# KiCad board -Z.kicad_pcb (continued)
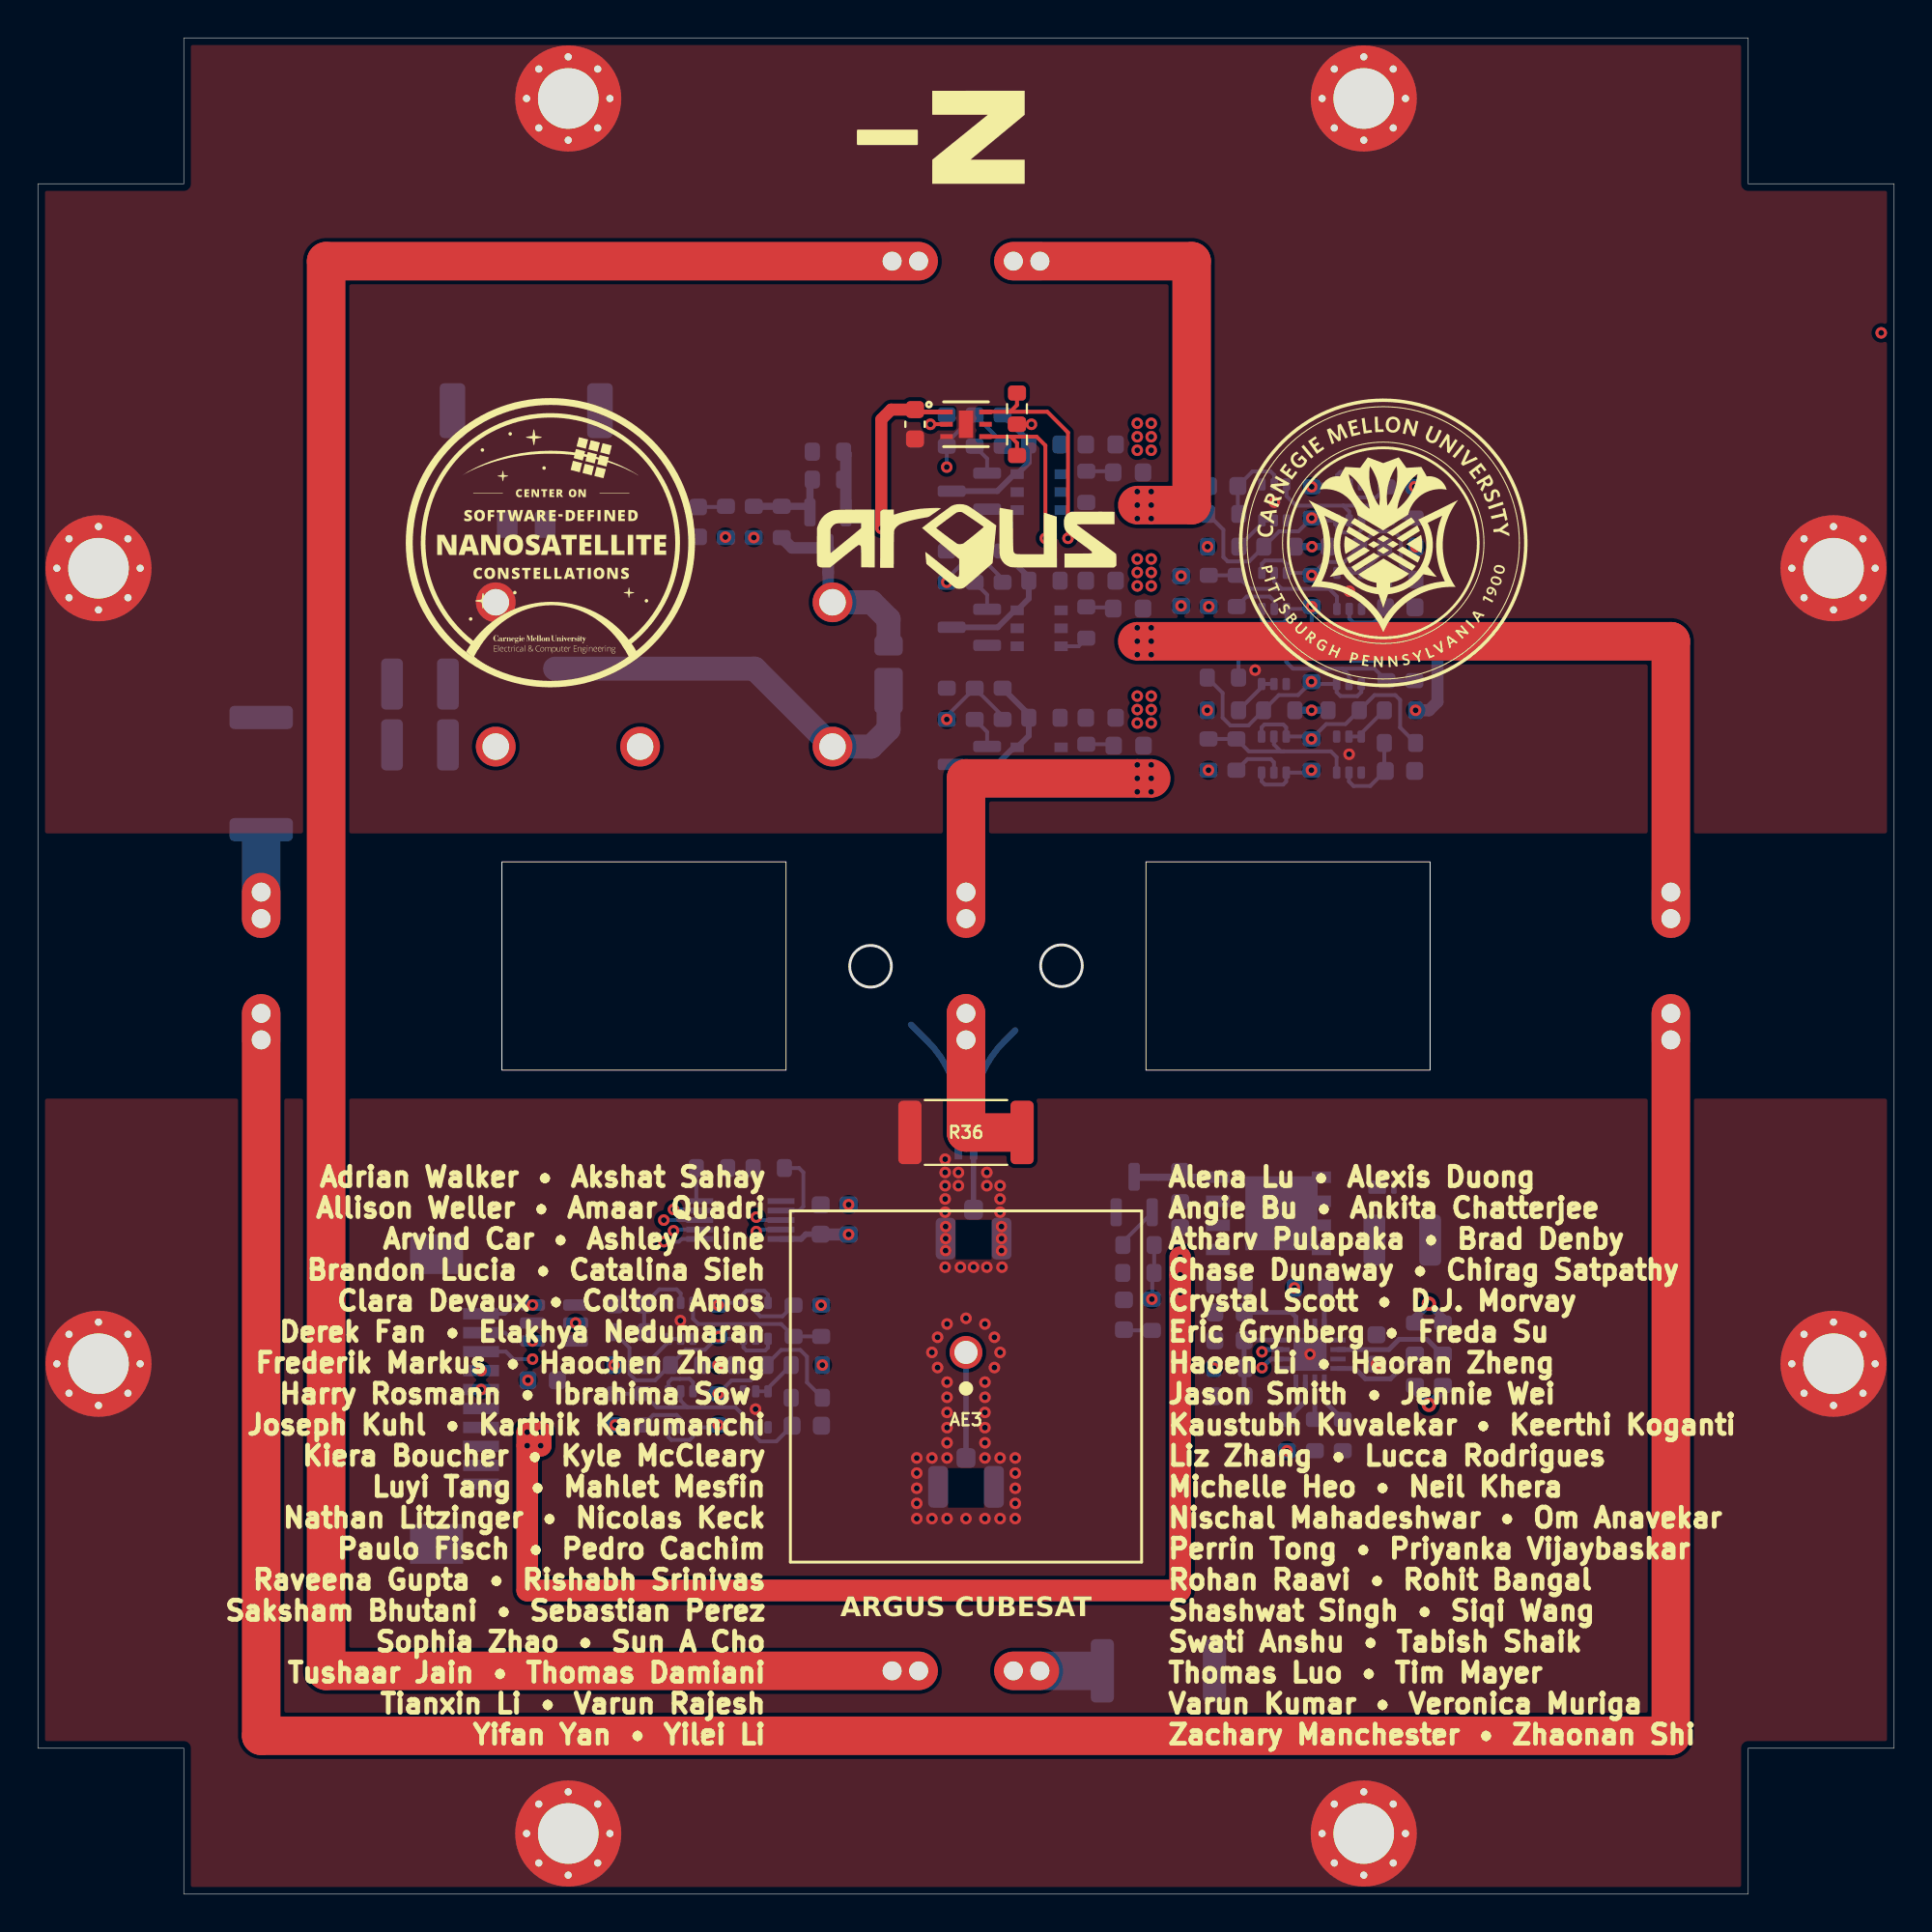
[diagram p0: board, top side]
## Nets
3V3_P: C13.1 F1.2 F6.2 J1.6 J1.7 R41.1 R42.2 R50.1 R52.1 R53.1 R55.1 R58.1 R59.1 R61.1 U5.5
GND: BA1.2 C1.2 C2.2 C3.2 C4.2 C5.2 C6.2 C7.2 C8.2 C9.2 C10.2 C11.2 C12.2 C13.2 C14.2 C15.2 D2.1 D3.1 D4.1 D5.1 D6.1 D7.2 H1.1 H2.1 H3.1 H4.1 H5.1 H6.1 H7.1 H8.1 J1.4 J1.5 J1.MP J2.1 J2.MP J3.2 J4.2 Q2.1 Q2.4 Q4.1 Q4.4 Q6.2 Q8.2 Q10.2 Q12.2 Q15.1 Q15.4 Q17.1 Q17.4 Q19.1 Q19.4 Q21.1 Q21.4 R18.2 R21.2 R24.1 R27.2 R30.1 R33.2 R36.1 R38.1 R43.1 R44.1 R49.2 R51.2 R64.1 R65.1 U1.3 U1.7 U2.12 U3.7 U3.17 U4.6 U5.2
VBATT: C14.1 C15.1 D1.1 J2.2 U2.14 U2.A1
VBATT_M: F5.2 J1.1 J1.2 J1.3
/Burn Wires/VBURN1: JP1.1 Q7.1 Q7.2 Q7.5 Q7.6 R23.1
/Burn Wires/VBURN2: JP3.1 Q9.1 Q9.2 Q9.5 Q9.6 R29.1
/Burn Wires/VBURN3: JP5.1 Q11.1 Q11.2 Q11.5 Q11.6 R35.1
/Burn Wires/VBURN_A_IN: F2.2 F3.2 F4.2 R78.1 U2.11
/Coil Driver/A0: R43.2 U3.10
/Coil Driver/A1: R44.2 U3.9
/Coil Driver/coil: R45.2 R46.1 R47.2 R48.1
/Coil Driver/IPROPI: C8.1 R49.1 U3.1
/Coil Driver/VM: C4.1 C5.1 D7.1 Q13.5 U3.5
/Coil Driver/VREF: C9.1 R50.2 R51.1 U3.16
/GPIO Expander/A0: R64.2 U4.5
/GPIO Expander/A1: R65.2 U4.7
/GPIO Expander/GE_3V3: C10.1 F6.1 R66.1 R67.1 R69.1 R72.1 R73.1 R75.1 U4.10
/Interfaces/GPS: AE3.1 J4.1
/Light Sensor/ADDR: R1.1 R2.2 U1.2
/Light Sensor/I2C Protection1/DEVICE: Q3.4 Q3.6 R2.1 R10.2 R13.1 R14.1 U1.4
/Light Sensor/I2C Protection/DEVICE: Q1.4 Q1.6 R1.2 R4.2 R7.1 R8.1 U1.6
/Light Sensor/LS_3V3: C1.1 F1.1 R3.1 R4.1 R6.1 R9.1 R10.1 R12.1 U1.1
BURN_EN1: R19.2 R20.2 R21.1 U4.1
BURN_EN2: R25.2 R26.2 R27.1 U4.2
BURN_EN3: R31.2 R32.2 R33.1 U4.3
BURN_RELAY_A: R15.1 U4.4
COIL_DRIVER_EN: J1.8 R37.1 R38.2 R39.1
COIL_N: R47.1 R48.2 U3.8
COIL_P: R45.1 R46.2 U3.6
SCL: J1.10 Q3.1 Q3.3 Q14.1 Q14.3 Q18.1 Q18.3 R14.2 R57.2 R71.2 U5.3
SCL_IO: Q18.4 Q18.6 R67.2 R70.1 R71.1 U4.8
SCL_M: Q14.4 Q14.6 R53.2 R56.1 R57.1 U3.15
SDA: J1.9 Q1.1 Q1.3 Q16.1 Q16.3 Q20.1 Q20.3 R8.2 R63.2 R77.2 U5.1
SDA_IO: Q20.4 Q20.6 R73.2 R76.1 R77.1 U4.9
SDA_M: Q16.4 Q16.6 R59.2 R62.1 R63.1 U3.14
Net-(AE1-Pad1): BA1.4
Net-(AE2-Pad1): BA1.3
Net-(D1-A): D1.2 Q5.3 R16.2 U2.A2
Net-(D2-A): D2.2 R78.2
Net-(D3-A): D3.2 R23.2
Net-(D4-A): D4.2 R29.2
Net-(D5-A): D5.2 R35.2
Net-(D6-A): D6.2 R37.2
Net-(F5-Pad1): F5.1 Q13.1 Q13.2 Q13.3 R40.2
Net-(J3-In): BA1.1 J3.1
Net-(JP1-B): JP1.2 JP2.1
Net-(JP2-B): JP2.2 R24.2
Net-(JP3-B): JP3.2 JP4.1
Net-(JP4-B): JP4.2 R30.2
Net-(JP5-B): JP5.2 R36.2
Net-(Q1A-B1): Q1.2 R5.1
Net-(Q1B-B2): Q1.5 Q2.6 R3.2 R5.2
Net-(Q2A-G2): Q2.2 Q2.3 R6.2
Net-(Q2B-G1): C2.1 Q2.5 R7.2
Net-(Q3A-B1): Q3.2 R11.1
Net-(Q3B-B2): Q3.5 Q4.6 R9.2 R11.2
Net-(Q4A-G2): Q4.2 Q4.3 R12.2
Net-(Q4B-G1): C3.1 Q4.5 R13.2
Net-(Q5-B): Q5.1 R15.2 R16.1 R17.1
Net-(Q5-E): Q5.2 R17.2 R18.1
Net-(Q6-D): Q6.3 Q7.3 R19.1 R22.1
Net-(Q6-G): Q6.1 R20.1
Net-(Q7-S): F2.1 Q7.4 R22.2
Net-(Q8-D): Q8.3 Q9.3 R25.1 R28.1
Net-(Q8-G): Q8.1 R26.1
Net-(Q9-S): F3.1 Q9.4 R28.2
Net-(Q10-D): Q10.3 Q11.3 R31.1 R34.1
Net-(Q10-G): Q10.1 R32.1
Net-(Q11-S): F4.1 Q11.4 R34.2
Net-(Q12-D): Q12.3 Q13.4 R40.1
Net-(Q12-G): Q12.1 R39.2
Net-(Q14A-B1): Q14.2 R54.1
Net-(Q14B-B2): Q14.5 Q15.6 R52.2 R54.2
Net-(Q15A-G2): Q15.2 Q15.3 R55.2
Net-(Q15B-G1): C6.1 Q15.5 R56.2
Net-(Q16A-B1): Q16.2 R60.1
Net-(Q16B-B2): Q16.5 Q17.6 R58.2 R60.2
Net-(Q17A-G2): Q17.2 Q17.3 R61.2
Net-(Q17B-G1): C7.1 Q17.5 R62.2
Net-(Q18A-B1): Q18.2 R68.1
Net-(Q18B-B2): Q18.5 Q19.6 R66.2 R68.2
Net-(Q19A-G2): Q19.2 Q19.3 R69.2
Net-(Q19B-G1): C11.1 Q19.5 R70.2
Net-(Q20A-B1): Q20.2 R74.1
Net-(Q20B-B2): Q20.5 Q21.6 R72.2 R74.2
Net-(Q21A-G2): Q21.2 Q21.3 R75.2
Net-(Q21B-G1): C12.1 Q21.5 R76.2
Net-(U3-NFAULT): R41.2 U3.4
Net-(U3-NSLEEP): R42.1 U3.11

Pads without a net: U1 5; U3 2 3 12 13; U5 4 6

## Via types
v1: diameter 0.61, hole 0.305, Top to Bottom, 171 vias
v2: diameter 0.762, hole 0.381, Top to Bottom, 2 vias

## Routing (per net, layer and track width the routed paths; a pad name or vN(x,y) marks a point on that pad's centre or on a via; arc(x,y) is an arc through that point)
3V3_P: length 37.2
  In2.Cu w1.143: 20.3,56.5 20.3,41.3 ; 77,56.6 77,41.4
  Bottom w0.381: R59.1 v1(67.25,62.5) R53.1
  Bottom w0.635: v1(72.74,62.5) 73.45,62.5 73.89,62.94 73.89,65.31 73.49,65.71 R52.1
  vias: v1(23.4,27.64) v1(23.4,26.64) v1(25.87,27.13) v1(28.39,30.15) v1(42.8,36.4) v1(60.35,69.59) v1(61.74,62.5) v1(61.8,59.34) v1(62.09,27.77) v1(65.95,23.41) v1(66.34,32.01)
GND:
  vias: v1(33.92,30.28) v1(37.89,25.6) v1(46.4,23.03) v1(46.4,22.23) v1(46.4,21.43) v1(46.4,20.63) v1(46.4,19.83) v1(47.2,28.6) v1(47.2,23.03) v1(47.2,19.83) v1(47.5,29.4) v1(47.5,27.8) v1(47.9,38.8) v1(47.9,38.1) v1(47.9,37.4) v1(47.9,36.7) v1(47.9,36) v1(47.93,35.24) v1(47.93,34.61) v1(47.93,33.97) v1(47.9,33.1) v1(48,30.1) v1(48,27.03) v1(48,26.23) v1(48,25.43) v1(48,24.63) v1(48,23.83) v1(48,23.03) v1(48,19.83) v1(48.6,38.1) v1(48.6,37.4) v1(48.7,33.1) v1(49,30.4) v1(49,19.83) v1(49.4,33.1) v1(50,30.1) v1(50,27.03) v1(50,26.23) v1(50,25.43) v1(50,24.63) v1(50,23.83) v1(50,23.03) v1(50,19.83) v1(50.1,38.1) v1(50.1,37.4) v1(50.1,33.1) v1(50.5,29.4) v1(50.5,27.8) v1(50.8,37.4) v1(50.8,36.7) v1(50.8,36) v1(50.8,28.6) v1(50.8,23.03) v1(50.8,19.83) v1(50.88,35.24) v1(50.88,34.61) v1(50.88,33.97) v1(50.9,33.1) v1(51.6,23.03) v1(51.6,22.23) v1(51.6,21.43) v1(51.6,20.63) v1(51.6,19.83) v1(64.27,64.62) v1(65.28,73.49) v1(67.16,28.5) v1(69.24,68.79) v1(69.23,60.18) v1(70.67,27.98)
VBATT: length 21.7
  Bottom w1.27: 27.31,64.7 37.84,64.7 U2.A1 44,60.58 44.91,61.5 D1.1
VBATT_M: length 64.4
  Top w1.143: v1(25.84,23.68) v1(26.55,23.68) v1(26.55,24.39) v1(25.84,24.39) 25.84,16.03 60.31,16.03 v1(60.31,31.75) v1(60.31,32.69) v1(60.31,33.62)
  Bottom w1.143: v1(60.31,31.75) v1(60.31,32.69) v1(60.31,33.62)
/Burn Wires/VBURN1: length 26.6
  Top w2.032: JP1.1 60.91,86.21 60.91,73.33 v1(58.04,73.33)
  Bottom w2.032: JP1.1 JP1.1
  vias: v1(58.04,74.04) v1(58.04,72.62) v1(58.78,74.04) v1(58.78,73.33) v1(58.78,72.62)
/Burn Wires/VBURN2: length 45.7
  Top w2.032: v1(58.04,66.15) 86.21,66.15 JP3.1
  Bottom w0.203: 55.35,66.29 54.95,65.88 Q9.6
  Bottom w2.032: JP3.1 JP3.1
  vias: v1(58.04,66.86) v1(58.04,65.43) v1(58.78,66.86) v1(58.78,66.15) v1(58.78,65.43)
/Burn Wires/VBURN3: length 17.2
  Top w2.032: JP5.1 49,58.91 v1(58.78,58.91)
  vias: v1(58.04,59.62) v1(58.04,58.91) v1(58.04,58.19) v1(58.78,59.62) v1(58.78,58.19)
/Burn Wires/VBURN_A_IN: length 57.6
  In2.Cu w0.635: v1(36.3,71.64) 36.3,64.44
  In2.Cu w2.032: 56.29,64.7 56.29,62.54 v1(58.78,62.54) ; 56.29,64.7 56.29,69.85 ; 56.29,64.7 56.04,64.44 31.79,64.44 U2.11 ; 56.29,69.85 56.37,69.78 v1(58.78,69.78) ; 56.29,69.85 56.29,76.94 v1(58.78,76.94)
  vias: v1(58.04,77.65) v1(58.04,76.94) v1(58.04,76.23) v1(58.04,70.49) v1(58.04,69.78) v1(58.04,69.07) v1(58.04,63.25) v1(58.04,62.54) v1(58.04,61.83) v1(58.78,77.65) v1(58.78,76.23) v1(58.78,70.49) v1(58.78,69.07) v1(58.78,63.25) v1(58.78,61.83)
/Coil Driver/A0: length 2
  Bottom w0.254: 67.41,27.03 67.42,25.06
/Coil Driver/A1: length 2.4
  Bottom w0.254: R44.2 67.92,26.04 67.92,27.03
/Coil Driver/coil: length 16299.3
  In2.Cu w0.414: 82.84,59.87 79.17,63.54 79.17,76.39 80.74,77.97 78.05,77.97 78.05,81.62 76.21,79.77 63.91,79.77 59.93,83.75 59.33,83.15 38.73,83.15 38.14,83.74 34.17,79.77 21.9,79.77 20.04,81.63 20.04,77.97 16.37,77.97 18.23,76.11 18.23,63.84 14.25,59.86 14.25,59.85 14.86,59.25 14.86,38.59 14.29,38.02 18.23,34.08 18.23,21.81 16.37,19.95 20.04,19.95 20.04,16.3 21.89,18.15 34.16,18.15 38.13,14.17 38.73,14.77 59.33,14.77 59.93,14.18 63.9,18.15 76.19,18.15 78.05,16.29 78.05,19.95 81.7,19.95 79.85,21.8 79.85,34.1 83.8,38.05 83.21,38.65 83.21,59.27 83.8,59.87 83.8,59.87 79.85,63.82 79.85,76.11 82.39,78.65 78.74,78.65 78.74,83.27 75.93,80.46 64.19,80.46 59.93,84.72 59.05,83.83 39.01,83.83 38.14,84.71 33.89,80.46 22.18,80.46 19.35,83.28 19.35,78.65 14.72,78.65 17.55,75.83 17.55,64.12 13.29,59.86 13.29,59.85 14.17,58.97 14.17,38.88 13.32,38.03 17.55,33.8 17.55,22.09 14.72,19.27 19.35,19.27 19.35,14.64 22.17,17.46 33.88,17.46 38.13,13.21 39.01,14.09 59.05,14.09 59.93,13.21 64.18,17.46 75.91,17.46 78.74,14.64 78.74,19.27 83.36,19.27 80.54,22.09 80.54,33.82 84.77,38.05 83.89,38.93 83.89,58.99 84.77,59.87 ; 82.84,59.87 82.84,59.87 ; 82.84,59.87 82.84,59.87 ; 7.7,18.04 13.43,23.77 13.43,32.13 7.54,38.02 7.54,59.9 13.43,65.79 13.43,74.15 7.54,80.04 7.54,82.77 15.24,82.77 15.24,90.46 17.96,90.46 23.86,84.57 32.21,84.57 38.11,90.46 59.84,90.46 59.86,90.44 60,90.44 65.87,84.57 74.22,84.57 80.12,90.46 82.85,90.46 82.85,82.77 89.76,82.77 89.76,80.23 ; 7.7,18.04 7.54,17.88 ; 7.7,18.04 7.54,17.88 ; 4.3,19.46 10,25.17 10,30.73 4.11,36.62 4.11,61.3 10,67.19 10,72.75 4.28,78.47 ; 4.3,19.46 4.11,19.27 ; 4.3,19.46 4.11,19.27 ; 18.24,91.15 14.55,91.15 14.55,83.45 6.85,83.45 6.85,79.76 12.75,73.87 12.75,66.07 6.85,60.18 6.85,59.53 6.85,37.74 12.75,31.85 12.75,24.05 7.07,18.37 ; 18.24,91.15 19.16,90.23 ; 18.24,91.15 19.16,90.23 ; 96.25,77.06 90.83,71.64 90.83,68.29 96.72,62.4 96.72,35.52 90.83,29.63 90.83,26.28 96.72,20.38 96.72,8.98 89.02,8.98 89.02,1.28 77.62,1.28 71.72,7.18 68.37,7.18 62.48,1.28 35.58,1.28 29.69,7.18 26.36,7.18 20.47,1.28 9.06,1.28 9.06,8.98 1.37,8.98 1.37,20.39 7.26,26.28 7.26,29.61 1.37,35.5 1.37,62.42 7.26,68.31 7.26,71.64 1.37,77.53 1.37,88.94 9.06,88.94 9.06,96.64 20.48,96.64 26.37,90.74 29.7,90.74 35.59,96.64 62.49,96.64 68.38,90.74 71.71,90.74 77.6,96.64 89.02,96.64 89.02,88.94 96.62,88.94 96.62,83.73 95.93,83.05 95.93,77.71 90.14,71.92 90.14,68.01 96.03,62.12 96.03,35.8 90.14,29.91 90.14,26 96.03,20.11 96.03,9.67 88.34,9.67 88.34,1.97 77.89,1.97 72,7.86 68.09,7.86 62.2,1.97 35.86,1.97 29.97,7.86 26.08,7.86 20.19,1.97 9.75,1.97 9.75,9.67 2.05,9.67 2.05,20.11 7.95,26 7.95,29.89 2.05,35.78 2.05,62.14 7.95,68.03 7.95,71.92 2.05,77.81 2.05,88.25 9.75,88.25 9.75,95.95 20.2,95.95 26.09,90.06 29.98,90.06 35.87,95.95 62.21,95.95 68.1,90.06 71.99,90.06 77.88,95.95 88.34,95.95 88.34,88.25 95.93,88.25 95.93,84.01 95.25,83.33 95.25,77.99 89.45,72.2 89.45,67.73 95.35,61.84 95.35,36.08 89.45,30.19 89.45,25.72 95.35,19.83 95.35,10.35 87.65,10.35 87.65,2.66 78.17,2.66 72.28,8.55 67.81,8.55 61.92,2.66 36.14,2.66 30.25,8.55 25.8,8.55 19.91,2.66 10.44,2.66 10.44,10.35 2.74,10.35 2.74,19.83 ; 96.25,77.06 96.62,77.43 ; 96.25,77.06 96.62,77.43 ; 6.33,79.32 12.06,73.59 12.06,66.35 6.17,60.46 6.17,59.25 6.17,37.46 12.06,31.57 12.06,24.33 6.17,18.44 6.17,13.78 13.86,13.78 13.86,6.08 18.51,6.08 24.41,11.98 31.64,11.98 37.54,6.08 60.52,6.08 66.41,11.98 73.68,11.98 79.57,6.08 84.22,6.08 84.22,13.78 91.92,13.78 91.92,18.43 86.03,24.32 86.03,31.59 91.92,37.48 91.92,60.44 86.03,66.33 86.03,73.6 91.82,79.39 91.82,84.82 84.91,84.82 84.91,92.52 79.28,92.52 73.39,86.63 66.71,86.63 60.81,92.52 37.27,92.52 31.37,86.63 24.69,86.63 19.39,91.93 ; 6.33,79.32 6.17,79.48 ; 6.33,79.32 6.17,79.48 ; 6.85,18.16 7.07,18.37 ; 6.85,18.16 7.07,18.37 ; 6.85,18.16 6.85,14.47 14.55,14.47 14.55,6.77 18.23,6.77 24.13,12.66 31.92,12.66 37.82,6.77 38.45,6.77 60.24,6.77 66.13,12.66 73.96,12.66 79.85,6.77 83.54,6.77 83.54,14.47 91.23,14.47 91.23,18.15 85.34,24.04 85.34,31.87 91.23,37.76 91.23,38.34 91.23,59.58 91.23,60.16 85.34,66.05 85.34,73.88 90.72,79.26 ; 84.77,59.87 84.77,59.87 ; 84.77,59.87 80.54,64.1 80.54,75.83 84.04,79.34 79.42,79.34 79.42,84.92 75.65,81.14 64.47,81.14 59.93,85.68 58.77,84.52 39.29,84.52 38.14,85.67 33.61,81.14 22.46,81.14 18.67,84.94 18.67,79.34 13.07,79.34 16.86,75.55 16.86,64.4 12.32,59.86 12.32,59.85 13.48,58.69 13.48,39.16 12.35,38.03 16.86,33.52 16.86,22.37 13.07,18.58 18.67,18.58 18.67,12.99 22.45,16.78 33.6,16.78 38.13,12.24 39.29,13.4 58.77,13.4 59.93,12.25 64.46,16.78 75.63,16.78 79.42,12.99 79.42,18.58 85.01,18.58 81.23,22.37 81.23,33.54 85.73,38.05 84.58,39.21 84.58,58.71 85.73,59.87 85.73,59.87 81.23,64.38 81.23,75.55 85.7,80.02 80.11,80.02 80.11,86.59 75.34,81.83 64.75,81.83 58.87,87.71 39.21,87.71 33.33,81.83 22.74,81.83 17.98,86.59 17.98,80.02 11.42,80.02 16.18,75.27 16.18,64.68 10.3,58.8 10.3,39.12 16.18,33.24 16.18,22.65 11.42,17.9 17.98,17.9 17.98,11.34 22.73,16.09 33.32,16.09 39.2,10.21 58.86,10.21 64.74,16.09 75.35,16.09 80.11,11.34 80.11,17.9 86.66,17.9 81.91,22.65 81.91,33.26 87.79,39.14 87.79,58.77 86.7,59.87 86.7,59.87 81.91,64.66 81.91,75.27 87.35,80.71 80.79,80.71 80.79,88.24 75.06,82.51 65.03,82.51 59.15,88.4 38.93,88.4 33.05,82.51 23.02,82.51 17.29,88.24 17.29,80.71 9.77,80.71 15.49,74.99 15.49,64.96 9.61,59.08 9.61,38.84 15.49,32.96 15.49,22.93 9.77,17.21 17.29,17.21 17.29,9.69 23.01,15.41 33.04,15.41 38.92,9.53 59.14,9.53 65.02,15.41 75.08,15.41 80.79,9.69 80.79,17.21 88.31,17.21 82.6,22.92 82.6,32.98 88.48,38.87 88.48,59.05 87.66,59.87 82.6,64.94 82.6,74.99 88.36,80.76 88.36,81.4 81.48,81.4 81.48,89.07 80.65,89.07 74.78,83.2 65.31,83.2 59.43,89.08 38.65,89.08 32.77,83.2 23.3,83.2 17.43,89.07 16.61,89.07 16.61,81.4 8.93,81.4 8.93,80.58 14.8,74.71 14.8,65.23 9.43,59.86 9.43,59.85 8.93,59.35 8.93,38.58 14.8,32.7 14.8,23.21 8.98,17.39 8.98,16.52 16.61,16.52 16.61,8.83 17.39,8.83 23.29,14.72 32.76,14.72 38.64,8.84 59.42,8.84 65.3,14.72 74.8,14.72 80.69,8.83 81.48,8.83 81.48,16.52 89.15,16.52 89.15,17.34 83.28,23.2 83.28,32.7 89.17,38.59 89.17,59.33 83.28,65.22 83.28,74.72 89.07,80.51 89.07,82.08 82.17,82.08 82.17,89.78 80.4,89.78 74.5,83.88 65.59,83.88 59.71,89.77 38.37,89.77 32.49,83.88 23.58,83.88 17.68,89.78 15.92,89.78 15.92,82.08 8.23,82.08 8.23,80.32 14.12,74.43 14.12,65.51 8.8,60.2 ; 84.77,59.87 84.77,59.87 ; 4.11,19.27 4.11,11.72 11.81,11.72 11.81,4.03 19.35,4.03 25.24,9.92 30.81,9.92 36.7,4.03 61.36,4.03 67.25,9.92 72.84,9.92 78.73,4.03 86.28,4.03 86.28,11.72 93.98,11.72 93.98,19.27 88.08,25.16 88.08,30.75 93.98,36.64 93.98,61.28 88.08,67.17 88.08,72.76 93.45,78.13 ; 93.45,78.13 93.87,78.55 ; 93.45,78.13 93.87,78.55 ; 97.3,77.15 97.3,82.42 97.31,82.42 v1(97.32,82.43) ; 97.3,77.15 97.15,77 ; 97.3,77.15 97.15,77 ; 4.8,78.93 4.8,85.51 12.49,85.51 12.49,93.21 19.08,93.21 24.97,87.31 31.09,87.31 36.99,93.21 61.09,93.21 66.99,87.31 73.11,87.31 79,93.21 85.59,93.21 85.59,85.51 92.5,85.51 92.5,79.11 86.71,73.32 86.71,66.61 92.6,60.72 92.6,37.2 86.71,31.31 86.71,24.6 92.6,18.71 92.6,13.1 84.91,13.1 84.91,5.4 79.29,5.4 73.4,11.29 66.69,11.29 60.8,5.4 39.01,5.4 37.26,5.4 31.36,11.29 24.68,11.29 18.79,5.4 13.18,5.4 13.18,13.1 5.48,13.1 5.48,18.71 11.38,24.61 11.38,31.29 5.48,37.18 5.48,60.74 11.38,66.63 11.38,73.31 5.68,79.01 ; 4.8,78.93 4.97,78.75 ; 4.8,78.93 4.97,78.75 ; 19.92,95.26 20.32,94.86 ; 19.92,95.26 20.32,94.86 ; 19.92,95.26 10.44,95.26 10.44,87.57 2.74,87.57 2.74,78.09 ; 20.32,94.86 25.81,89.37 30.26,89.37 36.15,95.26 61.93,95.26 67.82,89.37 72.27,89.37 78.16,95.26 87.65,95.26 87.65,87.57 95.25,87.57 95.25,84.29 94.56,83.61 94.56,78.27 ; 2.74,19.83 2.9,19.99 ; 2.74,19.83 2.9,19.99 ; 2.9,19.99 8.63,25.73 8.63,30.17 2.74,36.06 2.74,61.86 8.63,67.75 8.63,72.19 2.96,77.86 ; 4.28,78.47 4.11,78.65 ; 4.28,78.47 4.11,78.65 ; 19.39,91.93 18.8,92.52 ; 19.39,91.93 18.8,92.52 ; 89.59,59.87 89.59,59.87 ; 89.59,59.87 89.59,59.87 ; 89.59,59.87 89.85,59.61 89.85,38.31 83.97,32.42 83.97,23.48 89.86,17.59 89.86,15.84 82.17,15.84 82.17,8.14 80.41,8.14 74.52,14.03 65.58,14.03 59.7,8.16 38.36,8.16 32.48,14.03 23.57,14.03 17.67,8.14 15.92,8.14 15.92,15.84 8.23,15.84 8.23,17.6 ; 89.59,59.87 83.97,65.5 83.97,74.44 89.42,79.88 ; 18.8,92.52 13.18,92.52 13.18,84.82 5.48,84.82 5.48,79.2 ; 8.8,60.2 8.24,59.64 8.24,38.3 14.12,32.42 14.12,23.49 8.37,17.74 ; 8.8,60.2 8.46,59.85 ; 97.15,77 91.51,71.36 91.51,68.57 97.4,62.68 97.4,35.24 91.51,29.35 91.51,26.54 97.4,20.66 97.4,8.3 89.7,8.3 89.7,0.6 77.33,0.6 71.44,6.49 68.65,6.49 62.76,0.6 35.3,0.6 29.41,6.49 26.64,6.49 20.75,0.6 8.38,0.6 8.38,8.3 0.68,8.3 0.68,20.67 6.57,26.56 6.57,29.34 0.68,35.24 0.68,62.68 6.57,68.58 6.57,71.36 0.68,77.25 0.68,89.62 8.38,89.62 8.38,97.32 20.76,97.32 26.65,91.43 29.42,91.43 35.31,97.32 62.77,97.32 68.66,91.43 71.43,91.43 77.32,97.32 89.7,97.32 89.7,89.66 89.74,89.62 97.3,89.62 97.3,83.45 96.62,82.77 96.62,77.43 ; 82.84,59.87 82.52,59.55 82.52,38.36 82.83,38.06 82.83,38.04 79.17,34.38 79.17,21.55 80.08,20.64 77.36,20.64 77.36,17.92 77.36,17.92 76.45,18.84 63.62,18.84 59.92,15.14 59.92,15.14 59.61,15.46 38.45,15.46 38.3,15.3 38.3,15.3 38.14,15.15 38.12,15.15 34.44,18.84 21.71,18.84 20.74,17.87 20.72,17.87 20.72,17.99 20.72,17.99 20.72,20.64 18,20.64 18.92,21.56 18.92,34.36 15.26,38.02 15.26,38.04 15.54,38.32 15.54,59.53 15.22,59.85 15.22,59.86 18.92,63.56 18.92,76.41 18.05,77.28 20.72,77.28 20.72,80.02 21.06,79.68 21.06,79.68 21.66,79.08 34.45,79.08 38.12,82.76 38.15,82.76 38.45,82.46 59.61,82.46 59.91,82.77 59.95,82.77 63.63,79.08 76.55,79.08 77.36,79.9 77.36,79.89 77.36,77.28 79.09,77.28 78.48,76.67 78.48,63.26 81.83,59.91 81.83,38.01 78.48,34.66 78.48,21.32 76.68,21.32 76.68,19.52 63.34,19.52 59.96,16.14 38.1,16.14 34.72,19.52 21.41,19.52 21.41,21.32 19.6,21.32 19.6,34.64 16.23,38.02 16.23,59.9 19.6,63.28 19.6,76.6 21.41,76.6 21.41,78.4 34.73,78.4 38.11,81.78 59.97,81.78 63.35,78.4 76.68,78.4 76.68,76.6 77.8,76.6 77.8,62.98 81.15,59.63 81.15,38.29 77.8,34.94 77.8,22.01 75.99,22.01 75.99,20.21 63.06,20.21 59.68,16.83 38.38,16.83 35,20.21 22.09,20.21 22.09,22.01 20.29,22.01 20.29,34.92 16.91,38.3 16.91,59.62 20.29,63 20.29,75.91 22.09,75.91 22.09,77.71 35.01,77.71 38.38,81.09 59.7,81.09 63.07,77.71 75.99,77.71 75.99,75.91 77.11,75.91 77.11,62.7 80.46,59.35 80.46,38.57 77.11,35.22 77.11,22.7 75.31,22.7 75.31,20.89 62.78,20.89 59.4,17.51 38.65,17.51 35.28,20.89 22.78,20.89 22.78,22.7 20.98,22.7 20.98,35.2 17.6,38.58 17.6,59.34 20.98,62.72 20.98,75.22 22.78,75.22 22.78,77.03 35.29,77.03 38.66,80.41 59.42,80.41 62.79,77.03 75.31,77.03 75.31,75.22 76.42,75.22 76.42,62.42 79.78,59.07 79.78,38.85 76.42,35.5 76.42,23.38 74.65,23.38 74.62,23.36 74.62,21.58 62.5,21.58 59.12,18.2 38.93,18.2 35.56,21.58 23.47,21.58 23.47,23.38 21.66,23.38 21.66,35.48 18.28,38.86 18.28,59.06 21.66,62.44 21.66,74.54 23.47,74.54 23.47,76.34 35.57,76.34 38.94,79.72 59.14,79.72 62.51,76.34 74.62,76.34 74.62,74.54 75.74,74.54 75.74,62.14 79.09,58.79 79.09,39.13 75.74,35.78 75.74,24.07 73.94,24.07 73.94,22.26 62.22,22.26 58.84,18.89 39.21,18.89 35.84,22.26 24.15,22.26 24.15,24.07 22.35,24.07 22.35,35.76 18.97,39.14 18.97,58.78 22.35,62.16 22.35,73.85 24.15,73.85 24.15,75.66 35.84,75.66 39.22,79.03 58.86,79.03 62.24,75.66 72.93,75.66 73.94,75.66 73.94,73.85 75.05,73.85 75.05,61.86 78.41,58.51 78.41,39.43 75.04,36.07 75.04,31.17 v2(73.44,31.17) ; 8.23,17.6 8.37,17.74 ; 8.23,17.6 8.37,17.74 ; 2.96,77.86 2.74,78.09 ; 2.96,77.86 2.74,78.09 ; 6.17,79.48 6.17,84.14 13.86,84.14 13.86,91.84 18.52,91.84 24.41,85.94 31.65,85.94 37.55,91.84 60.53,91.84 66.43,85.94 73.67,85.94 79.56,91.84 84.22,91.84 84.22,84.14 91.13,84.14 91.13,79.67 ; 4.11,78.65 4.11,86.2 11.78,86.2 11.81,86.22 11.81,93.89 19.36,93.89 ; 19.87,93.38 25.25,88 30.82,88 36.71,93.89 39.57,93.89 58.49,93.89 61.37,93.89 67.26,88 72.83,88 78.72,93.89 86.28,93.89 86.28,86.2 93.87,86.2 93.87,84.85 93.19,84.16 93.19,78.83 ; 19.87,93.38 19.36,93.89 ; 19.87,93.38 19.36,93.89 ; 89.76,80.23 89.42,79.88 ; 89.76,80.23 89.42,79.88 ; 7.54,17.88 7.54,15.15 15.24,15.15 15.24,7.46 17.95,7.46 23.85,13.35 32.2,13.35 38.11,7.45 59.95,7.45 65.85,13.35 74.24,13.35 80.13,7.46 82.85,7.46 82.85,15.15 90.55,15.15 90.55,17.87 84.65,23.76 84.65,32.14 90.55,38.04 90.55,59.88 84.65,65.77 84.65,74.16 90.45,79.95 90.45,83.45 83.54,83.45 83.54,91.15 79.84,91.15 73.94,85.26 66.15,85.26 60.25,91.15 37.83,91.15 31.93,85.26 24.14,85.26 19.16,90.23 ; 93.87,78.55 93.87,83.88 94.56,84.57 94.56,86.88 86.97,86.88 86.97,94.58 78.44,94.58 72.55,88.69 67.54,88.69 61.65,94.58 36.43,94.58 30.54,88.69 25.53,88.69 19.64,94.58 11.12,94.58 11.12,86.88 3.43,86.88 3.43,78.37 9.32,72.47 9.32,67.47 3.43,61.58 3.43,58.13 3.43,39.77 3.43,36.34 9.32,30.45 9.32,25.45 3.43,19.55 3.43,11.04 11.12,11.04 11.12,3.34 19.63,3.34 25.52,9.23 30.53,9.23 36.42,3.34 61.64,3.34 67.53,9.23 72.56,9.23 78.45,3.34 86.97,3.34 86.97,11.04 94.66,11.04 94.66,19.55 88.77,25.44 88.77,30.47 94.66,36.36 94.66,61.56 88.77,67.45 88.77,72.48 94.22,77.93 ; 5.68,79.01 5.48,79.2 ; 5.68,79.01 5.48,79.2 ; 90.72,79.26 91.13,79.67 ; 90.72,79.26 91.13,79.67 ; 93.19,78.83 92.74,78.38 ; 93.19,78.83 92.74,78.38 ; 4.97,78.75 10.69,73.03 10.69,66.91 4.8,61.02 4.8,36.9 10.69,31.01 10.69,24.89 4.8,18.99 4.8,12.41 12.49,12.41 12.49,4.71 19.07,4.71 24.96,10.61 31.09,10.61 36.98,4.71 61.08,4.71 66.97,10.61 73.12,10.61 79.01,4.71 85.59,4.71 85.59,12.41 93.29,12.41 93.29,18.99 87.4,24.88 87.4,31.03 93.29,36.92 93.29,39.18 93.29,61 87.4,66.89 87.4,73.04 92.74,78.38 ; 94.56,78.27 94.22,77.93 ; 94.56,78.27 94.22,77.93
  In3.Cu w0.414: 4.97,78.75 4.79,78.92 ; 4.97,78.75 10.69,73.03 10.69,66.91 4.79,61.02 4.79,36.9 10.69,31.01 10.69,24.88 4.79,18.99 4.79,12.41 12.49,12.41 12.49,4.71 19.07,4.71 24.96,10.6 31.08,10.6 36.97,4.71 61.08,4.71 66.97,10.6 73.12,10.6 79.01,4.71 85.59,4.71 85.59,12.41 93.29,12.41 93.29,18.98 87.39,24.88 87.39,31.02 93.29,36.92 93.29,61 87.39,66.89 87.39,73.04 92.74,78.38 ; 4.97,78.75 4.79,78.92 ; 4.79,78.92 4.79,85.51 12.49,85.51 12.49,93.2 19.08,93.2 24.97,87.31 31.09,87.31 36.98,93.2 61.09,93.2 66.98,87.31 73.1,87.31 79,93.2 85.59,93.2 85.59,85.51 93.19,85.51 93.19,80.79 93.87,80.1 93.87,78.55 ; 2.9,19.99 8.63,25.72 8.63,30.17 2.74,36.06 2.74,61.85 8.63,67.75 8.63,72.19 2.96,77.86 ; 2.9,19.99 2.74,19.83 ; 2.9,19.99 2.74,19.83 ; 95.24,77.99 95.24,80.66 94.56,81.34 94.56,86.88 86.96,86.88 86.96,94.57 78.44,94.57 72.54,88.68 67.54,88.68 61.65,94.57 36.43,94.57 30.53,88.68 25.53,88.68 19.64,94.57 11.12,94.57 11.12,86.88 3.42,86.88 3.42,78.36 9.31,72.47 9.31,67.47 3.42,61.57 3.42,36.34 9.31,30.45 9.31,25.44 3.42,19.55 3.42,11.03 11.12,11.03 11.12,3.34 19.63,3.34 25.52,9.23 30.52,9.23 36.42,3.34 61.63,3.34 67.53,9.23 72.56,9.23 78.45,3.34 86.96,3.34 86.96,11.03 94.66,11.03 94.66,19.54 88.77,25.44 88.77,30.46 94.66,36.36 94.66,61.55 88.77,67.45 88.77,72.48 94.21,77.92 ; 95.24,77.99 94.8,77.54 ; 95.24,77.99 94.8,77.54 ; 93.19,78.83 92.74,78.38 ; 93.19,78.83 93.19,79.8 92.5,80.48 92.5,84.82 84.9,84.82 84.9,92.52 79.28,92.52 73.38,86.62 66.7,86.62 60.81,92.52 37.26,92.52 31.37,86.62 24.69,86.62 19.39,91.93 ; 93.19,78.83 92.74,78.38 ; 92.15,78.76 92.5,79.11 ; 92.15,78.76 86.71,73.32 86.71,66.61 92.6,60.72 92.6,37.2 86.71,31.3 86.71,24.6 92.6,18.7 92.6,13.09 84.9,13.09 84.9,5.4 79.29,5.4 73.4,11.29 66.69,11.29 60.8,5.4 59.05,5.4 37.25,5.4 31.36,11.29 24.68,11.29 18.79,5.4 13.18,5.4 13.18,13.09 5.48,13.09 5.48,18.71 11.37,24.6 11.37,31.28 5.48,37.18 5.48,60.74 11.37,66.63 11.37,73.31 5.68,79 ; 92.15,78.76 92.5,79.11 ; 92.5,79.11 92.5,79.54 91.81,80.23 91.81,84.14 84.22,84.14 84.22,91.83 79.55,91.83 73.66,85.94 66.42,85.94 60.53,91.83 37.54,91.83 31.65,85.94 24.41,85.94 18.52,91.83 13.86,91.83 13.86,84.14 6.16,84.14 6.16,79.48 ; 18.8,92.52 13.18,92.52 13.18,84.82 5.48,84.82 5.48,79.2 ; 18.8,92.52 19.39,91.93 ; 18.8,92.52 19.39,91.93 ; v1(97.32,82.43) 97.3,82.45 97.3,89.62 89.74,89.62 89.7,89.66 89.7,97.32 77.32,97.32 71.43,91.43 68.66,91.43 62.77,97.32 35.31,97.32 29.42,91.43 26.65,91.43 20.76,97.32 8.38,97.32 8.38,89.62 0.68,89.62 0.68,77.25 6.57,71.35 6.57,68.57 0.68,62.68 0.68,35.24 6.57,29.34 6.57,26.56 0.68,20.67 0.68,8.3 8.38,8.3 8.38,0.6 20.75,0.6 26.64,6.49 29.41,6.49 35.3,0.6 62.75,0.6 68.65,6.49 71.44,6.49 77.33,0.6 89.7,0.6 89.7,8.3 97.4,8.3 97.4,20.65 91.51,26.54 91.51,29.35 97.4,35.24 97.4,62.68 91.51,68.57 91.51,71.36 97.15,77 ; 2.74,78.08 2.96,77.86 ; 2.74,78.08 2.96,77.86 ; 2.74,78.08 2.74,87.56 10.43,87.56 10.43,95.26 19.92,95.26 25.81,89.37 30.25,89.37 36.15,95.26 61.93,95.26 67.82,89.37 72.26,89.37 78.16,95.26 87.65,95.26 87.65,87.56 95.24,87.56 95.24,81.62 95.93,80.94 95.93,77.71 90.14,71.92 90.14,68.01 96.03,62.11 96.03,35.8 90.14,29.91 90.14,25.99 96.03,20.1 96.03,9.66 88.33,9.66 88.33,1.97 77.89,1.97 72,7.86 68.09,7.86 62.19,1.97 35.86,1.97 29.96,7.86 26.08,7.86 20.19,1.97 9.75,1.97 9.75,9.66 2.05,9.66 2.05,20.11 7.94,26 7.94,29.89 2.05,35.78 2.05,62.13 7.94,68.03 7.94,71.91 2.32,77.53 ; 84.76,59.86 84.76,59.87 ; 84.76,59.86 83.89,58.99 83.89,38.92 84.77,38.05 80.54,33.82 80.54,22.08 83.36,19.26 78.73,19.26 78.73,14.64 75.91,17.46 64.17,17.46 59.92,13.21 59.05,14.08 39.01,14.08 38.13,13.21 33.88,17.46 22.17,17.46 19.35,14.64 19.35,19.26 14.72,19.26 17.54,22.09 17.54,33.8 13.32,38.03 14.17,38.88 14.17,58.96 13.28,59.85 13.28,59.85 17.54,64.11 17.54,75.82 14.72,78.65 19.35,78.65 19.35,83.28 22.18,80.45 33.89,80.45 38.14,84.7 39.01,83.83 59.05,83.83 59.93,84.71 64.19,80.45 75.92,80.45 78.73,83.26 78.73,78.65 84.32,78.65 81.22,75.55 81.22,64.37 85.73,59.87 85.73,59.86 84.57,58.71 84.57,39.2 85.73,38.05 81.22,33.54 81.22,22.36 85.01,18.58 79.42,18.58 79.42,12.99 75.63,16.77 64.45,16.77 59.92,12.24 58.77,13.4 39.29,13.4 38.13,12.24 33.6,16.77 22.45,16.77 18.66,12.99 18.66,18.58 13.07,18.58 16.86,22.37 16.86,33.52 12.35,38.03 13.48,39.16 13.48,58.68 12.32,59.85 12.32,59.85 16.86,64.39 16.86,75.54 13.07,79.33 18.66,79.33 18.66,84.93 22.46,81.14 33.61,81.14 38.14,85.67 39.29,84.52 58.77,84.52 59.93,85.68 64.47,81.14 75.64,81.14 79.42,84.91 79.42,79.33 85.97,79.33 81.91,75.27 81.91,64.65 86.69,59.87 86.69,59.86 87.79,58.76 87.79,39.14 81.91,33.26 81.91,22.64 86.66,17.89 80.1,17.89 80.1,11.34 75.35,16.09 64.73,16.09 58.86,10.21 39.19,10.21 33.32,16.09 22.73,16.09 17.98,11.34 17.98,17.89 11.42,17.89 16.17,22.65 16.17,33.24 10.3,39.11 10.3,58.8 16.17,64.67 16.17,75.26 11.42,80.02 17.98,80.02 17.98,86.58 22.73,81.82 33.33,81.82 39.21,87.71 58.86,87.71 64.75,81.82 75.34,81.82 80.1,86.59 80.1,80.02 87.62,80.02 82.59,74.99 82.59,64.93 88.48,59.05 88.48,38.87 82.59,32.98 82.59,22.92 88.31,17.21 80.79,17.21 80.79,9.68 75.07,15.4 65.01,15.4 59.14,9.53 38.91,9.53 33.04,15.4 23,15.4 17.29,9.69 17.29,17.21 9.77,17.21 15.49,22.93 15.49,32.96 9.61,38.84 9.61,59.08 15.49,64.95 15.49,74.99 9.77,80.71 17.29,80.71 17.29,88.23 23.01,82.51 33.05,82.51 38.93,88.4 59.14,88.4 65.03,82.51 75.06,82.51 80.79,88.24 80.79,80.71 88.36,80.71 88.36,79.79 83.28,74.71 83.28,65.21 89.17,59.33 89.17,38.59 88.25,37.67 83.28,32.7 83.28,23.2 89.14,17.34 89.14,16.52 81.48,16.52 81.48,8.82 80.68,8.82 74.79,14.72 65.29,14.72 59.42,8.84 38.63,8.84 32.76,14.72 23.28,14.72 17.39,8.82 16.6,8.82 16.6,16.52 8.98,16.52 8.98,17.39 14.8,23.21 14.8,32.7 8.93,38.57 8.93,59.36 14.8,65.23 14.8,74.71 8.93,80.58 8.93,81.39 16.6,81.39 16.6,89.06 17.43,89.06 23.29,83.2 32.77,83.2 38.65,89.08 59.42,89.08 65.31,83.2 74.78,83.2 80.65,89.06 81.48,89.06 81.48,81.39 89.07,81.39 89.07,79.54 83.97,74.43 83.97,65.49 89.59,59.87 ; 84.76,59.86 84.76,59.87 ; 84.76,59.87 80.54,64.09 80.54,75.83 82.67,77.96 78.05,77.96 78.05,81.61 76.2,79.77 63.91,79.77 59.93,83.75 59.33,83.14 38.73,83.14 38.14,83.74 34.16,79.77 21.9,79.77 20.03,81.63 20.03,77.96 16.37,77.96 18.23,76.1 18.23,63.83 14.25,59.85 14.25,59.85 14.85,59.24 14.85,38.58 14.29,38.02 18.23,34.08 18.23,21.81 16.37,19.95 20.03,19.95 20.03,16.29 21.89,18.15 34.16,18.15 38.13,14.17 38.73,14.77 59.33,14.77 59.92,14.17 63.9,18.15 76.19,18.15 78.05,16.29 78.05,19.95 81.7,19.95 79.85,21.8 79.85,34.1 83.8,38.05 83.2,38.64 83.2,59.27 83.8,59.86 83.8,59.87 79.85,63.82 79.85,76.11 81.02,77.28 77.36,77.28 77.36,79.89 77.36,79.89 76.54,79.08 63.63,79.08 59.95,82.76 59.91,82.76 59.61,82.46 38.45,82.46 38.15,82.76 38.12,82.76 34.44,79.08 21.66,79.08 21.06,79.68 21.06,79.68 20.72,80.02 20.72,77.28 18.05,77.28 18.92,76.41 18.92,63.56 15.21,59.85 15.21,59.85 15.54,59.52 15.54,38.32 15.25,38.03 15.25,38.02 18.92,34.36 18.92,21.55 18,20.64 20.72,20.64 20.72,17.99 20.72,17.99 20.72,17.87 20.74,17.87 21.71,18.83 34.43,18.83 38.12,15.15 38.14,15.15 38.29,15.3 38.3,15.3 38.45,15.45 59.61,15.45 59.92,15.14 59.92,15.14 63.62,18.83 76.44,18.83 77.36,17.92 77.36,17.92 77.36,20.64 80.08,20.64 79.16,21.55 79.16,34.38 82.83,38.04 82.83,38.05 82.52,38.36 82.52,59.55 82.83,59.86 ; 18.24,91.15 14.55,91.15 14.55,83.45 6.85,83.45 6.85,79.76 12.74,73.87 12.74,66.07 6.85,60.18 6.85,37.74 12.74,31.84 12.74,24.05 7.06,18.36 ; 18.24,91.15 19.16,90.23 ; 18.24,91.15 19.16,90.23 ; 96.24,77.06 96.61,77.43 ; 96.24,77.06 90.82,71.64 90.82,68.29 96.72,62.39 96.72,35.52 90.82,29.63 90.82,26.27 96.72,20.38 96.72,8.98 89.02,8.98 89.02,1.28 77.61,1.28 71.72,7.17 68.37,7.17 62.47,1.28 35.58,1.28 29.68,7.17 26.36,7.17 20.46,1.28 9.06,1.28 9.06,8.98 1.36,8.98 1.36,20.39 7.26,26.28 7.26,29.61 1.36,35.5 1.36,62.41 7.26,68.3 7.26,71.63 1.36,77.53 1.36,88.94 9.06,88.94 9.06,96.63 20.47,96.63 26.37,90.74 29.69,90.74 35.59,96.63 62.49,96.63 68.38,90.74 71.71,90.74 77.6,96.63 89.02,96.63 89.02,88.94 96.61,88.94 96.61,82.13 97.3,81.45 97.3,77.15 ; 96.24,77.06 96.61,77.43 ; 96.61,77.43 96.61,81.19 95.93,81.88 95.93,88.25 88.33,88.25 88.33,95.95 77.88,95.95 71.99,90.05 68.1,90.05 62.21,95.95 35.87,95.95 29.97,90.05 26.09,90.05 20.19,95.95 9.75,95.95 9.75,88.25 2.05,88.25 2.05,77.8 ; 8.37,17.74 14.12,23.49 14.12,32.42 8.24,38.29 8.24,59.63 8.46,59.85 8.45,59.85 14.12,65.51 14.12,74.43 8.22,80.32 8.22,82.08 15.92,82.08 15.92,89.77 17.68,89.77 23.57,83.88 32.49,83.88 37.96,89.36 ; 8.37,17.74 8.22,17.59 ; 8.37,17.74 8.22,17.59 ; 5.68,79 5.48,79.2 ; 5.68,79 5.48,79.2 ; 82.83,59.86 82.83,59.87 ; 82.83,59.86 82.83,59.87 ; 82.83,59.87 79.16,63.54 79.16,76.59 76.68,76.59 76.68,78.4 75.67,78.4 63.35,78.4 59.97,81.77 38.1,81.77 34.72,78.4 21.4,78.4 21.4,76.59 19.6,76.59 19.6,63.28 16.22,59.9 16.22,38.02 19.6,34.64 19.6,21.32 21.4,21.32 21.4,19.52 34.71,19.52 38.09,16.14 59.96,16.14 63.34,19.52 76.68,19.52 76.68,21.32 78.48,21.32 78.48,34.66 81.83,38.01 81.83,59.9 78.48,63.26 78.48,75.91 75.99,75.91 75.99,77.71 63.07,77.71 59.69,81.09 38.38,81.09 35,77.71 22.09,77.71 22.09,75.91 20.29,75.91 20.29,63 16.91,59.62 16.91,38.29 20.29,34.92 20.29,22.01 22.09,22.01 22.09,20.2 34.99,20.2 38.37,16.83 59.68,16.83 63.06,20.2 75.99,20.2 75.99,22.01 77.79,22.01 77.79,34.94 81.15,38.29 81.15,59.62 77.79,62.98 77.79,75.22 75.3,75.22 75.3,77.02 62.79,77.02 59.41,80.4 38.66,80.4 35.28,77.02 22.78,77.02 22.78,75.22 20.97,75.22 20.97,62.72 17.59,59.34 17.59,38.57 20.97,35.2 20.97,22.69 22.78,22.69 22.78,20.89 35.27,20.89 38.65,17.51 59.4,17.51 62.78,20.89 75.3,20.89 75.3,22.69 77.11,22.69 77.11,35.21 80.46,38.57 80.46,59.35 77.11,62.7 77.11,74.53 74.62,74.53 74.62,76.34 73.61,76.34 62.51,76.34 59.13,79.72 38.94,79.72 35.56,76.34 23.46,76.34 23.46,74.53 21.66,74.53 21.66,62.44 18.28,59.06 18.28,38.85 21.66,35.48 21.66,23.38 23.46,23.38 23.46,21.58 35.55,21.58 38.93,18.2 59.12,18.2 62.5,21.58 74.62,21.58 74.62,23.35 74.64,23.38 76.42,23.38 76.42,35.49 79.77,38.85 79.77,59.07 76.42,62.42 76.42,73.85 73.93,73.85 73.93,75.65 62.23,75.65 58.85,79.03 39.22,79.03 35.84,75.65 24.15,75.65 24.15,73.85 22.34,73.85 22.34,62.16 18.97,58.78 18.97,39.13 22.34,35.75 22.34,24.06 24.15,24.06 24.15,22.26 35.83,22.26 39.21,18.88 58.84,18.88 62.22,22.26 73.44,22.26 v2(73.44,25.84) ; 8.22,17.59 8.22,15.83 15.92,15.83 15.92,8.14 17.67,8.14 23.56,14.03 32.48,14.03 38.35,8.16 59.7,8.16 65.57,14.03 74.51,14.03 80.41,8.14 82.16,8.14 82.16,15.83 89.86,15.83 89.86,17.59 83.97,23.48 83.97,32.42 89.85,38.31 89.85,59.6 89.59,59.86 ; 37.96,89.36 38.37,89.77 59.7,89.77 65.58,83.88 74.5,83.88 80.39,89.77 82.16,89.77 82.16,82.08 89.76,82.08 89.76,79.26 84.65,74.16 84.65,65.77 90.54,59.89 90.54,38.03 84.65,32.14 84.65,23.76 90.54,17.87 90.54,15.15 82.85,15.15 82.85,7.45 80.13,7.45 74.23,13.35 65.85,13.35 59.96,7.45 38.09,7.45 32.2,13.35 23.84,13.35 17.95,7.45 15.23,7.45 15.23,15.15 7.54,15.15 7.54,17.87 ; 37.96,89.36 38.14,89.53 ; 19.87,93.37 19.36,93.89 ; 19.87,93.37 25.25,88 30.81,88 36.7,93.89 61.37,93.89 67.26,88 72.82,88 78.72,93.89 86.28,93.89 86.28,86.19 93.87,86.19 93.87,81.04 94.56,80.35 94.56,78.27 ; 19.87,93.37 19.36,93.89 ; 19.36,93.89 11.8,93.89 11.8,86.22 11.78,86.19 4.11,86.19 4.11,78.64 ; 7.54,17.87 7.7,18.03 ; 7.54,17.87 7.7,18.03 ; 93.87,78.55 93.45,78.13 ; 93.87,78.55 93.45,78.13 ; 93.45,78.13 88.08,72.76 88.08,67.17 93.97,61.28 93.97,36.64 88.08,30.74 88.08,25.16 93.97,19.26 93.97,11.72 86.28,11.72 86.28,4.02 78.73,4.02 72.84,9.92 67.25,9.92 61.36,4.02 36.7,4.02 30.8,9.92 25.24,9.92 19.35,4.02 11.8,4.02 11.8,11.72 4.11,11.72 4.11,19.27 ; 97.3,77.15 97.15,77 ; 97.3,77.15 97.15,77 ; 94.8,77.54 89.45,72.2 89.45,67.73 95.34,61.83 95.34,36.08 89.45,30.19 89.45,25.72 95.34,19.82 95.34,10.35 87.65,10.35 87.65,2.65 78.17,2.65 72.28,8.55 67.81,8.55 61.91,2.65 36.14,2.65 30.24,8.55 25.8,8.55 19.91,2.65 10.43,2.65 10.43,10.35 2.74,10.35 2.74,19.83 ; 19.16,90.23 24.13,85.25 31.93,85.25 37.82,91.15 60.25,91.15 66.14,85.25 73.94,85.25 79.83,91.15 83.53,91.15 83.53,83.45 91.13,83.45 91.13,80 91.78,79.35 86.02,73.59 86.02,66.33 91.92,60.44 91.92,37.48 86.02,31.58 86.02,24.32 91.92,18.43 91.92,13.78 84.22,13.78 84.22,6.08 79.57,6.08 73.67,11.97 66.41,11.97 60.52,6.08 37.53,6.08 31.64,11.97 24.4,11.97 18.51,6.08 13.86,6.08 13.86,13.78 6.16,13.78 6.16,18.43 12.06,24.32 12.06,31.56 6.16,37.46 6.16,60.46 12.06,66.35 12.06,73.59 6.32,79.32 ; 4.11,19.27 4.29,19.46 ; 4.11,19.27 4.29,19.46 ; 4.11,78.64 4.28,78.47 ; 4.11,78.64 4.28,78.47 ; 6.32,79.32 6.16,79.48 ; 6.32,79.32 6.16,79.48 ; 2.05,77.8 2.32,77.53 ; 2.05,77.8 2.32,77.53 ; 89.59,59.86 89.59,59.87 ; 89.59,59.86 89.59,59.87 ; 7.06,18.36 6.85,18.15 ; 7.06,18.36 6.85,18.15 ; 7.7,18.03 13.43,23.77 13.43,32.12 7.54,38.02 7.54,59.9 13.43,65.79 13.43,74.15 7.54,80.04 7.54,82.76 15.23,82.76 15.23,90.46 17.96,90.46 23.85,84.57 32.21,84.57 38.09,90.45 59.98,90.45 65.86,84.57 74.22,84.57 80.11,90.46 82.85,90.46 82.85,82.76 90.44,82.76 90.44,79.74 90.82,79.36 90.82,79.36 85.34,73.87 85.34,66.05 91.23,60.16 91.23,37.75 85.34,31.86 85.34,24.04 91.23,18.15 91.23,14.46 83.53,14.46 83.53,6.77 79.85,6.77 73.95,12.66 66.13,12.66 60.24,6.77 37.81,6.77 31.92,12.66 24.12,12.66 18.23,6.77 14.55,6.77 14.55,14.46 6.85,14.46 6.85,18.15 ; 4.29,19.46 10,25.16 10,30.73 4.11,36.62 4.11,61.29 10,67.19 10,72.75 4.28,78.47 ; 94.21,77.92 94.56,78.27 ; 94.21,77.92 94.56,78.27
  Bottom w0.414: R48.1 72.7,26.57 v2(73.44,25.84) 74.18,26.57 R46.1 ; R45.2 74.18,30.43 v2(73.44,31.17) 72.7,30.43 R47.2
